# KiCad board forti EC.kicad_pcb (continued)
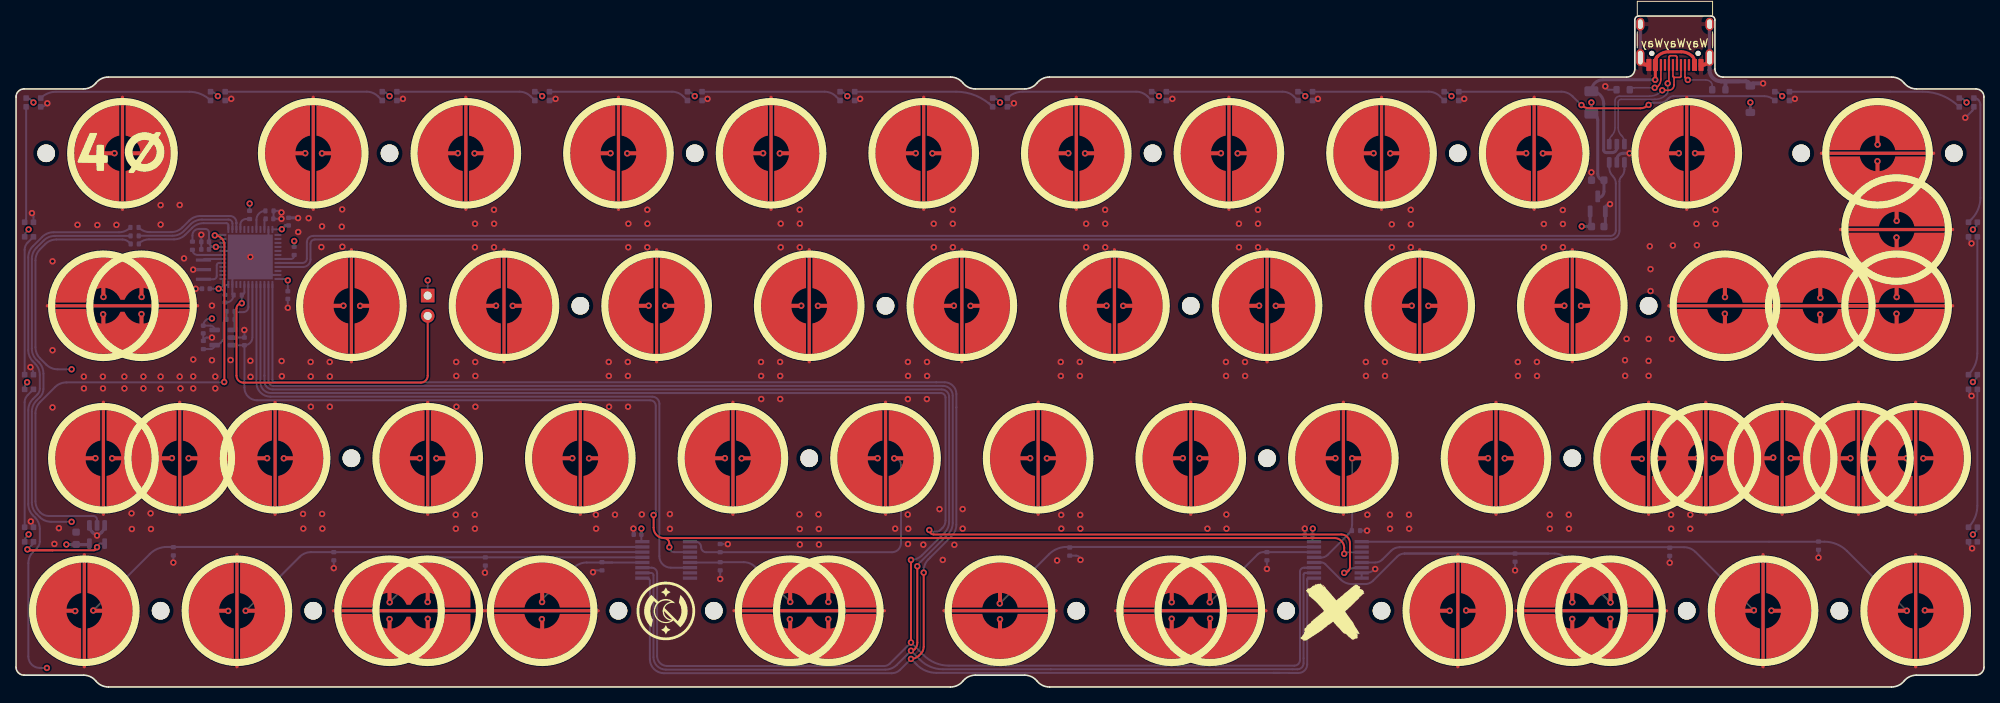
[diagram p0: board, top side]
## Routing (per net, layer and track width the routed paths; a pad name or vN(x,y) marks a point on that pad's centre or on a via; arc(x,y) is an arc through that point) (continued)
ROW3: length 415.7
  In1.Cu w0.5: 26.51,9.52 22.35,5.36 arc(21.95,4.77) 21.81,4.06 arc(21.97,3.3) 22.4,2.65 22.56,2.48 arc(22.68,2.41) 22.81,2.38 ; 50.59,2.38 50.11,2.38 arc(49.85,2.43) 49.62,2.59 ; 50.59,2.38 22.81,2.38 ; 50.59,2.38 100.6,2.38 ; 100.6,2.38 145.05,2.38 ; 100.6,2.38 100.33,2.38 arc(99.93,2.46) 99.59,2.69 arc(99.16,3.33) 99.01,4.1 99.01,7.2 ; 145.05,2.38 149.81,2.38 ; 145.05,2.38 144.85,2.59 arc(144.41,3.24) 144.26,4 v1(144.26,8.52) ; v1(122.82,8.46) 122.82,4 arc(122.98,3.24) 123.41,2.59 ; 219.16,9.5 223.32,5.34 arc(223.72,4.75) 223.86,4.04 arc(223.71,3.28) 223.28,2.63 223.16,2.52 arc(223.01,2.42) 222.84,2.38 ; 49.03,7.1 49.03,4 arc(49.19,3.23) 49.62,2.59 ; 49.03,7.1 48.27,7.1 arc(47.51,7.25) 46.86,7.69 arc(46.67,7.98) 46.6,8.32 46.6,8.46 ; 49.03,7.1 49.79,7.1 arc(50.56,7.25) 51.21,7.69 arc(51.35,7.9) 51.4,8.14 51.4,8.47 ; 183.94,2.38 184.44,2.38 arc(184.82,2.46) 185.15,2.68 arc(185.58,3.32) 185.73,4.09 arc(185.59,4.79) 185.2,5.39 181.04,9.55 ; 183.94,2.38 149.81,2.38 ; 183.94,2.38 198.23,2.38 ; 149.81,2.38 149.63,2.56 arc(149.2,3.21) 149.05,3.98 v1(149.05,8.55) ; 197.13,2.87 197.18,2.82 arc(197.66,2.49) 198.23,2.38 ; 196.67,7.25 195.91,7.25 arc(195.14,7.4) 194.49,7.83 arc(194.3,8.12) 194.23,8.46 ; 196.67,7.25 196.67,4.14 arc(196.82,3.38) 197.25,2.73 ; 196.67,7.25 197.43,7.25 arc(198.19,7.4) 198.84,7.83 arc(198.98,8.04) 199.03,8.29 ; 99.01,7.2 98.25,7.2 arc(97.48,7.35) 96.84,7.79 arc(96.64,8.08) 96.57,8.42 ; 99.01,7.2 99.77,7.2 arc(100.53,7.35) 101.18,7.79 arc(101.32,8) 101.37,8.24 ; v1(65.64,8.48) 65.64,2.42 ; 49.62,2.59 49.62,2.56 ; 22.81,2.38 v1(3.85,2.38) arc(3.54,2.44) 3.28,2.62 arc(2.85,3.27) 2.69,4.03 arc(2.83,4.73) 3.23,5.33 7.39,9.49 ; 198.23,2.38 222.84,2.38 ; 238.28,9.58 242.44,5.42 arc(242.84,4.83) 242.98,4.12 arc(242.83,3.36) 242.39,2.71 arc(242.03,2.47) 241.6,2.38 222.84,2.38
  In2.Cu w0.5: 65.68,8.44 arc(65.66,8.47) v1(65.64,8.48)
  Bottom w0.25: v1(3.85,2.38) 2.97,2.38 arc(1.96,2.8) 1.54,3.81 1.54,15.46 arc(1.69,16.22) 2.12,16.87 2.66,17.4 arc(2.89,17.75) 2.97,18.16 2.97,19.75 arc(2.82,20.52) 2.38,21.17 2.11,21.44 arc(1.68,22.09) 1.53,22.85 1.53,34.57 arc(1.68,35.33) 2.11,35.98 2.67,36.54 arc(2.89,36.87) 2.97,37.26 2.97,38.99 arc(2.82,39.75) 2.38,40.4 2.1,40.68 arc(1.67,41.32) 1.53,42.07 1.53,53.66 arc(1.68,54.42) 2.11,55.07 3.26,56.22 arc(3.91,56.65) 4.67,56.81 12.84,56.81 arc(13.61,56.96) 14.26,57.39 R21.1
  vias: v1(7.38,9.49) v1(26.49,9.5) v1(46.63,8.48) v1(51.4,8.51) v1(96.6,8.45) v1(101.38,8.48) v1(181.01,9.56) v1(194.26,8.5) v1(199.01,8.5) v1(219.12,9.54) v1(238.28,9.58)
XTAL0: length 4.2
  Bottom w0.25: U8.5 25.33,52.98 arc(25.14,52.89) 25.06,52.7 25.06,51.34 arc(24.94,51.06) 24.65,50.94 Y1.3
XTAL1: length 2.5
  Bottom w0.25: U8.6 23.54,53.48 arc(23.44,53.43) Y1.1
Net-(LED1-DIN): length 17.6
  Bottom w0.25: 2.18,56.23 2.17,56.23 1.44,55.5 arc(1.17,55.1) 1.08,54.62 1.08,39.02
Net-(LED1-DOUT): length 14.5
  Bottom w0.25: 1.26,72.47 1.26,58.51 arc(1.21,58.27) LED1.1
Net-(LED2-DIN): length 17.6
  Bottom w0.25: LED2.3 1.44,36.45 arc(1.17,36.05) 1.08,35.57 LED3.1
Net-(LED15-DIN): length 17.5
  Bottom w0.25: LED16.1 244.82,22.62 arc(244.53,21.18) LED15.3
Net-(LED16-DIN): length 17.5
  Bottom w0.25: 244.82,56.23 244.82,41.67 arc(244.53,40.23) 243.72,39.02
Net-(LED17-DIN): length 16.4
  Bottom w0.25: LED18.1 244.42,73.58 arc(244.7,73.52) 244.94,73.36 arc(245.13,73.07) 245.2,72.72 245.2,61.12 arc(244.91,59.67) 244.09,58.43 LED17.3
Net-(LED18-DIN): length 21.7
  Bottom w0.25: LED19.1 237.99,74.37 arc(240.46,73.88) 242.56,72.47
Net-(LED19-DIN): length 40.7
  Top w0.25: v1(195.4,72.7) arc(195.85,72.4) 196.37,72.3 202.78,72.3 arc(203.32,72.41) v1(203.79,72.72)
  Bottom w0.25: LED20.1 192.88,74.37 arc(193.65,74.22) 194.3,73.78 195.38,72.7 v1(195.4,72.7) ; v1(203.79,72.72) arc(204.09,72.92) 204.45,72.99 205.2,72.99 arc(205.68,73.09) 206.09,73.36 206.29,73.56 arc(206.57,73.75) 206.9,73.81 218.23,73.81 arc(218.94,73.67) LED19.3
Net-(LED20-DIN): length 16.8
  Bottom w0.25: LED21.1 176.34,74.37 arc(177.1,74.22) 177.75,73.78 LED20.3
Net-(LED21-DIN): length 16.8
  Bottom w0.25: LED22.1 158.08,74.37 arc(158.85,74.22) 159.5,73.78 LED21.3
Net-(LED22-DIN): length 18.6
  Bottom w0.25: LED22.3 141.24,73.78 arc(140.59,74.22) 139.83,74.37 125.66,74.37 arc(124.62,74.16) LED23.1
Net-(LED23-DIN): length 18.5
  Bottom w0.25: LED30.1 117.34,74.37 arc(119.81,73.88) 121.91,72.47 121.4,72.99
Net-(LED24-DIN): length 17.6
  Bottom w0.25: LED25.1 81.88,74.37 arc(82.65,74.22) 83.3,73.78 LED24.3
Net-(LED24-DOUT): length 17.6
  Bottom w0.25: LED24.1 100.93,74.37 arc(101.7,74.22) 102.35,73.78 LED30.3
Net-(LED25-DIN): length 17.6
  Bottom w0.25: LED25.3 64.25,73.78 arc(63.6,74.22) 62.83,74.37 LED26.1
Net-(LED26-DIN): length 20
  Bottom w0.25: LED31.1 43.78,74.37 arc(44.55,74.22) 45.2,73.78 LED26.3
Net-(LED27-DOUT): length 21.7
  Bottom w0.25: LED31.3 arc(23.07,74.08) 21.65,74.36 4.98,74.36 arc(3.96,74.16) LED27.1
Net-(U3--): length 6.8
  Bottom w0.25: R23.1 24.3,42.22 arc(24.65,42.36) U3.4 arc(25.57,43.03) 25.89,43.81 25.89,45.54 arc(26,45.81) R26.2 R6.2
Net-(U8-PA3): length 12.7
  Bottom w0.25: U8.13 26.51,57.7 arc(26.43,57.87) 26.26,57.94 23.4,57.94 arc(22.63,57.79) 21.98,57.36 21.14,56.51 arc(20.49,56.08) 19.72,55.92 16.6,55.92 arc(15.91,55.79) 15.33,55.4 R19.1
Net-(U8-PA4): length 13.3
  Bottom w0.25: 15.39,56.37 19.54,56.37 arc(20.3,56.53) 20.95,56.96 21.8,57.81 arc(22.45,58.24) 23.21,58.39 26.54,58.39 arc(26.88,58.25) 27.02,57.91 27.02,57.17 arc(27.01,57.17) U8.14
Net-(U8-PA5): length 14.4
  Bottom w0.25: R21.2 15.3,57.41 arc(15.95,56.98) 16.72,56.82 19.35,56.82 arc(20.12,56.98) 20.76,57.41 21.61,58.26 arc(22.26,58.69) 23.03,58.84 26.71,58.84 arc(27.27,58.61) 27.51,58.04 27.51,57.95 arc(27.51,57.94) 27.51,57.94 ; 27.51,57.94 U8.15 arc(27.51,57.16) 27.51,57.16 ; 27.51,57.94 27.51,57.97
Net-(U8-PA6): length 2.1
  Bottom w0.25: R22.2 28.7,58.46 arc(28.21,58.26) 28.01,57.77 U8.16
Net-(U8-PA10): length 2.4
  Bottom w0.25: U8.31 34.34,53.48 arc(34.61,53.59) 34.72,53.86 R17.1
Net-(U8-VCAP1): length 1.4
  Bottom w0.25: U8.22 31.01,58.34 arc(31.05,58.44) C16.1

## Copper pours and planes (outline as drawn; the poured copper is in the pictures)
GND on Top, Bottom, In1.Cu: -7.35,87.31 249.03,87.31 252.21,-7.94 -4.17,-7.94
VBAT on In2.Cu: -6.56,87.31 249.03,87.31 252.21,-7.94 -4.17,-8.73
VBAT on In2.Cu: 195.06,59.53 197.44,59.53 197.44,56.36 195.06,56.36

## Text on the board
B.Silkscreen: design by xonuss & xezioh | pcb by calvin0563 | 1 | stepped | 1.25 | 1.5 | 1.75 | 2.25 | boot | (1.5) | 2.75 | 7 / 6 | ISO | EC
User.Comments: centre
F.Silkscreen: WayWayWay
